# Altium PCB ESC_type_6_000.PcbDoc (part 2 of 3)
Units mil, origin at the board's own origin, x right, y up, seen from the top; angles counter-clockwise.
Board outline 2362.34 x 2362.34 mil, 4 copper layers (Top Layer, Signal Layer 1, Signal Layer 2, Bottom Layer), stack 65.634 mil thick; 137 components, 109 nets, 523 pads, 654 vias.
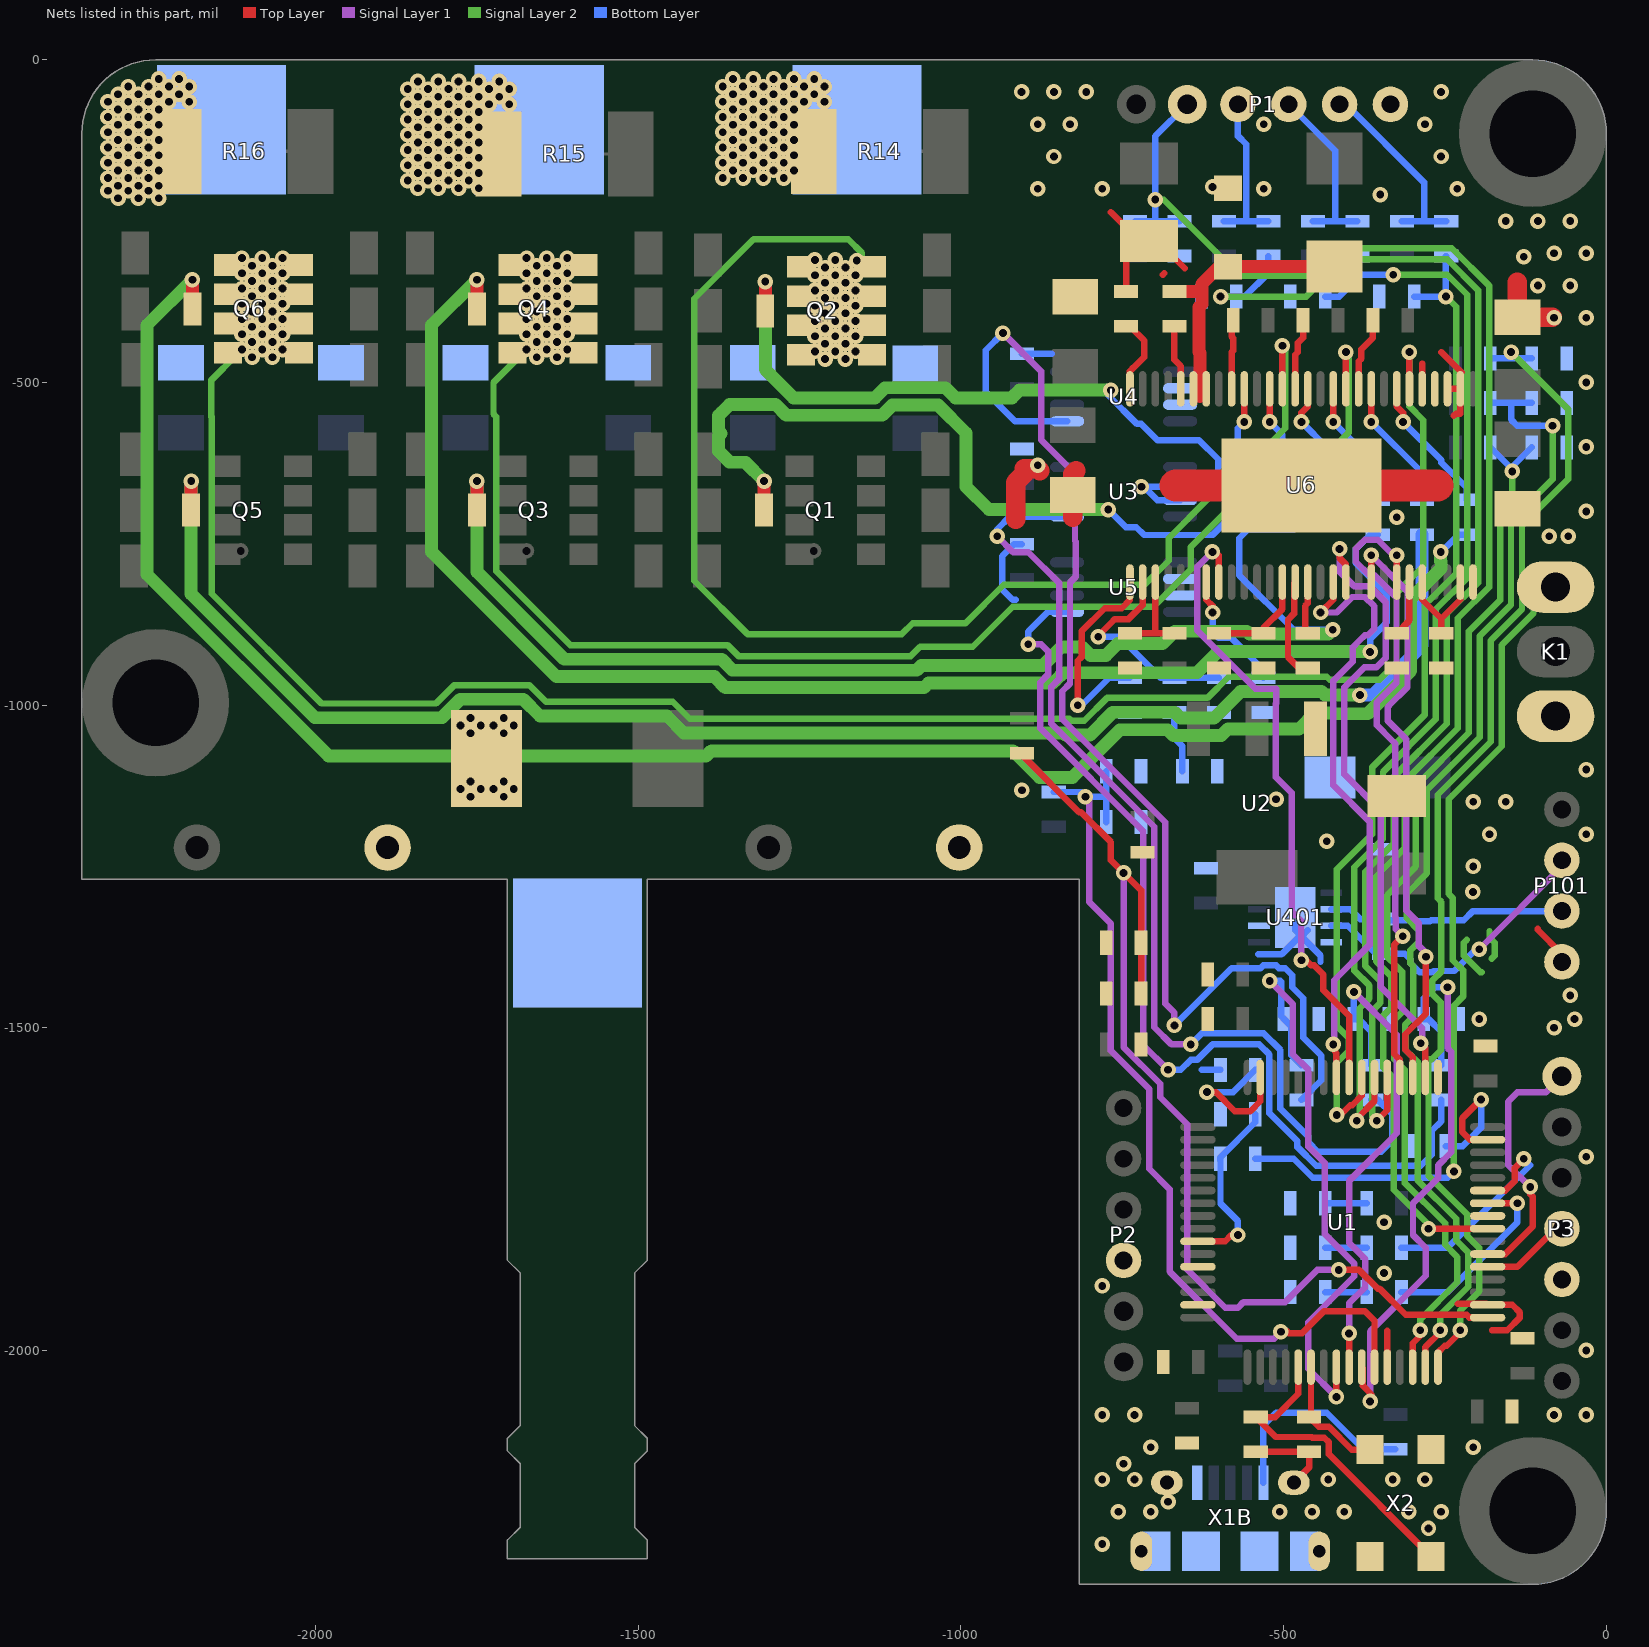
[diagram p4: the nets of this part, all layers, seen from the top]

## Via types
v1: diameter 24, hole 12, Top Layer to Bottom Layer, tented both sides, 654 vias

## Nets (pads, with @x,y where several pads share a name; then routed paths per layer and width w, separated by ;. In a path a pad name is that pad's centre, name@x,y a point inside that pad or via, vN(x,y) a via of type N, cw(c..) or ccw(c..) an arc to the next point about the centre after c; other vN are vias at no path point) (continued)
GND: C1.1 C2.2 C3.1 C4.1 C5.1 C6.1 C7.1 C8.1 C9.1 C10.1 C11.1 C12.1 C13.1 C14.1 C15.1 C16.1 C17.1 C18.2 C19.1 C20.1 C21.1 C23.1 C24.1 C25.2 C26.1 C31.1 C32.1 C33.2 C34.1 C35.1 C36.1 C37.1 C38.2 C39.2 C41.1 C43.1 C44.1 C49.2 C52.1 C100.2 C101.2 C102.2 C103.2 C104.1 C105.1 C106.2 C107.2 C401.1 C402.1 D1.2 D2.2 D3.2 D4.2 D5.2 D101.A K1.3 N1.2 N2.2 N3.2 P1.6 P2.3 P3.3 P5.1 P101.1 Q2.S Q4.S Q6.S R2.1 R4.1 R18.1 R20.1 R21.1 R24.2 R27.2 R33.2 U1.12 U1.18 U1.60 U1.63 U2.1 U3.2 U3.3 U4.2 U4.3 U5.2 U5.3 U6.28 U6.30 U6.31 U6.32 U6.33 U6.57 U401.2 U401.8 U401.9 X1B.5 X2.2 X2.4 | length 2079.8
  Top Layer w10: -767.72,-236.22 -723.43,-280.51 C33.2@-708.66,-280.51 -695.87,-280.51 -653.39,-322.99 ; C37.1@-744.09,-358.83 C33.2@-744.09,-311.02 ; -687.57,-333.24 -685.04,-330.71 ; C38.2@-543.31,-2156.92 C15.1@-460.63,-2156.92 -460.63,-2181.1 X1B.5@-484.25,-2204.72 ; U1.12@-339.57,-2025.59 -339.57,-1969.49 ; U6.33@-285.43,-509.84 -285.43,-470.47 ; -255.91,-452.76 U6.30@-224.41,-484.25 ; U6.31@-246.06,-509.84 U6.30@-230.56,-509.84 ; -236.22,-551.18 -233.44,-548.4 -226.38,-548.4 U6.30@-226.38,-509.84 ; -229.98,-1927.5 -185.69,-1927.5 U1.18@-184.06,-1929.13 -145.67,-1929.13 -133.86,-1940.94 -133.86,-1948.82 -153.54,-1968.5 -177.17,-1968.5 ; -106.3,-1346.46 -106.3,-1347.95 -68.9,-1385.34 P101.1@-68.9,-1397.64
  Top Layer w30: -915.36,-711.78 -915.36,-674.22 -915.35,-654.9 -902.19,-641.74 -902.19,-633.77 -881.2,-633.77 v1@-878.18,-636.8 ; -826.77,-708.66 C44.1@-826.77,-674.21 -826.77,-641.64 -821.77,-636.64 ; -137.8,-344.49 C49.2@-137.8,-398.62 v1@-83.66,-398.63
  Top Layer w50: -667.32,-659.45 U6.57@-472.44,-659.45 -261.81,-659.45
  Signal Layer 2 w10: -216.54,-1363.69 -220.85,-1368.01 -220.85,-1387.89 -195.36,-1413.39 -192.91,-1413.39 ; -181.1,-1350.39 -181.1,-1359.76 -172.85,-1368.01 -172.85,-1387.89 -177.81,-1392.85
  Bottom Layer w10: -915.35,-836.61 -920.14,-836.61 -936.21,-820.55 -936.21,-768.89 -917.88,-750.56 C36.1@-905.51,-750.56 ; C34.1@-905.51,-455.28 -859.66,-455.28 ; v1(-720.47,-661.42) v1@-716.54,-661.42 ; U3.3@-660.43,-682.09 -695.87,-682.09 v1@-716.54,-661.42 ; U3.2@-660.43,-656.5 -665.35,-661.42 v1@-716.54,-661.42 ; -626.92,-1564.96 C17.1@-597.87,-1564.96 ; -539.71,-1386.16 -503.52,-1386.16 U401.9@-474.03,-1356.68 ; U401.9@-482.28,-1328.74 -482.28,-1348.43 U401.9@-474.03,-1356.68 ; U401.9@-462.6,-1348.43 U401.9@-472.44,-1358.27 ; -442.91,-1397.64 -442.91,-1387.8 U401.9@-472.44,-1358.27 ; U401.9@-474.03,-1356.68 U401.9@-472.44,-1358.27
  other v1: -781.06,-2299.72 -275.59,-2275.59 -756.06,-2249.72 -706.06,-2249.72 -506.06,-2249.72 -456.06,-2249.72 -406.06,-2249.72 -306.06,-2249.72 -256.06,-2249.72 -679.13,-2234.25 -781.06,-2199.72 -731.06,-2199.72 -431.06,-2199.72 -331.06,-2199.72 -281.06,-2199.72 -748.03,-2175.2 -706.06,-2149.72 -206.06,-2149.72 -781.06,-2099.72 -731.06,-2099.72 -81.06,-2099.72 -31.06,-2099.72 -31.06,-1999.72 -781.06,-1899.72 -344.49,-1879.92 -344.49,-1801.18 -31.06,-1699.72 -81.06,-1499.72 -196.85,-1486.22 -49.21,-1486.22 -56.06,-1449.72 -206.69,-1289.37 -206.06,-1249.72 -433.07,-1210.63 -181.06,-1199.72 -31.06,-1199.72 -206.06,-1149.72 -156.06,-1149.72 -511.81,-1145.67 -1759.84,-1141.73 -1708.66,-1141.73 -905.51,-1131.89 -1775.59,-1129.92 -1744.09,-1129.92 -1724.41,-1129.92 -1692.91,-1129.92 -1759.84,-1118.11 -1708.66,-1118.11 -31.06,-1099.72 -1759.84,-1043.31 -1708.66,-1043.31 -1775.59,-1031.5 -1744.09,-1031.5 -1724.41,-1031.5 -1692.91,-1031.5 -1759.84,-1019.68 -1708.66,-1019.68 -88.58,-738.19 -59.06,-738.19 -324.8,-708.66 -31.06,-699.72 -881.2,-628.08 -31.06,-599.72 -31.06,-499.72 -1210.63,-463.58 -1179.13,-463.58 -2098.43,-460.63 -2066.93,-460.63 -1657.48,-460.63 -1625.98,-460.63 -1226.38,-451.77 -1194.88,-451.77 -1163.39,-451.77 -2082.68,-448.82 -2051.18,-448.82 -1641.73,-448.82 -1610.24,-448.82 -1210.63,-439.96 -1179.13,-439.96 -2098.43,-437.01 -2066.93,-437.01 -1657.48,-437.01 -1625.98,-437.01 -1226.38,-428.15 -1194.88,-428.15 -1163.39,-428.15 -2114.17,-425.2 -2082.68,-425.2 -2051.18,-425.2 -1673.23,-425.2 -1641.73,-425.2 -1610.24,-425.2 -1210.63,-416.34 -1179.13,-416.34 -2098.43,-413.39 -2066.93,-413.39 -1657.48,-413.39 -1625.98,-413.39 -1226.38,-404.53 -1194.88,-404.53 -1163.39,-404.53 -2114.17,-401.57 -2082.68,-401.57 -2051.18,-401.57 -1673.23,-401.57 -1641.73,-401.57 -1610.24,-401.57 -81.06,-399.72 -31.06,-399.72 -1210.63,-392.72 -1179.13,-392.72 -2098.43,-389.76 -2066.93,-389.76 -1657.48,-389.76 -1625.98,-389.76 -1226.38,-380.91 -1194.88,-380.91 -1163.39,-380.91 -2114.17,-377.95 -2082.68,-377.95 -2051.18,-377.95 -1673.23,-377.95 -1641.73,-377.95 -1610.24,-377.95 -1210.63,-369.09 -1179.13,-369.09 -2098.43,-366.14 -2066.93,-366.14 -1657.48,-366.14 -1625.98,-366.14 -1226.38,-357.28 -1194.88,-357.28 -1163.39,-357.28 -2114.17,-354.33 -2082.68,-354.33 -2051.18,-354.33 -1673.23,-354.33 -1641.73,-354.33 -1610.24,-354.33 -106.06,-349.72 -56.06,-349.72 -1210.63,-345.47 -1179.13,-345.47 -2098.43,-342.52 -2066.93,-342.52 -1657.48,-342.52 -1625.98,-342.52 -1226.38,-333.66 -1194.88,-333.66 -1163.39,-333.66 -2114.17,-330.71 -2082.68,-330.71 -2051.18,-330.71 -1673.23,-330.71 -1641.73,-330.71 -1610.24,-330.71 -1210.63,-321.85 -1179.13,-321.85 -2098.43,-318.9 -2066.93,-318.9 -1657.48,-318.9 -1625.98,-318.9 -1226.38,-310.04 -1194.88,-310.04 -2114.17,-307.09 -2082.68,-307.09 -2051.18,-307.09 -1673.23,-307.09 -1641.73,-307.09 -1610.24,-307.09 -127.95,-305.12 -81.06,-299.72 -31.06,-299.72 -156.06,-249.72 -106.06,-249.72 -56.06,-249.72 -350.39,-208.66 -881.06,-199.72 -781.06,-199.72 -531.06,-199.72 -231.06,-199.72 -610.24,-196.85 -856.06,-149.72 -256.06,-149.72 -881.06,-99.72 -831.06,-99.72 -531.06,-99.72 -281.06,-99.72 -906.06,-49.72 -856.06,-49.72 -806.06,-49.72 -256.06,-49.72
NetC1_2: C1.2 R25.1 U1.8 | length 953.4
  Top Layer w10: v1(-418.31,-2071.85) U1.8@-418.31,-2025.59
  Signal Layer 1 w10: v1(-521.65,-1427.16) -485.87,-1462.95 -485.87,-1540.62 -461.68,-1564.8 -461.68,-1683.99 -436.63,-1709.04 -436.63,-1819.08 -390.64,-1865.07 -390.64,-1884.95 -415.48,-1909.79 -461.99,-1956.3 -461.99,-2028.17 v1(-418.31,-2071.85)
  Bottom Layer w10: v1(-521.65,-1427.16) -505.23,-1427.16 -503.6,-1428.79 -503.6,-1482.06 C1.2@-499.44,-1486.22 -488.02,-1497.64 -488.02,-1542.06 R25.1@-472.44,-1557.65
NetC2_1: C2.1 R3.1 R4.2 U1.11 | length 1412.4
  Top Layer w10: v1(-504.2,-1970.74) -498.77,-1970.74 -496.54,-1968.5 -492.22,-1972.82 -471.33,-1972.82 -437.48,-1938.98 -374.02,-1938.98 -359.25,-1953.74 U1.11@-359.25,-2025.59
  Signal Layer 1 w10: v1(-807.09,-1141.73) -801.43,-1147.39 -801.43,-1304.87 -767.72,-1338.58 -767.72,-1535.43 -708.47,-1594.68 -708.47,-1718.27 -676.83,-1749.92 -676.83,-1877.3 -572.69,-1981.45 -514.91,-1981.45 v1(-504.2,-1970.74)
  Bottom Layer w10: R3.1@-856.3,-1134.42 -814.4,-1134.42 v1(-807.09,-1141.73) -775.02,-1141.73 ; R4.2@-775.02,-1181.11 -775.02,-1141.73 ; C2.1@-775.02,-1102.37 -775.02,-1141.73
NetC3_2: C3.2 R5.2 U1.58 | length 288.8
  Top Layer w10: U1.58@-632.87,-1830.71 -590.55,-1830.71 -580.71,-1820.87 v1(-570.87,-1820.87)
  Bottom Layer w10: R5.2@-598.43,-1704.72 -598.43,-1700.79 -543.87,-1646.23 C3.2@-543.87,-1633.86 ; R5.2@-597.87,-1702.76 -597.87,-1772.21 -570.87,-1799.21 v1(-570.87,-1820.87)
NetC4_2: C4.2 P1.2 R7.1 U1.24 | length 2557.5
  Top Layer w10: v1(-275.59,-1811.02) U1.24@-184.06,-1811.02
  Signal Layer 2 w10: v1(-698.82,-216.53) -686.02,-216.53 -567.91,-334.65 -457.11,-334.65 -414.31,-291.84 -239.65,-291.84 -181.74,-349.76 -181.74,-816.99 -230.14,-865.39 -230.14,-1035.55 -312.09,-1117.5 -312.09,-1220.83 -356.44,-1265.18 -356.44,-1397.04 -333.17,-1420.3 -333.17,-1468.35 -345.46,-1480.63 -345.46,-1561.46 -329.28,-1577.64 -329.28,-1750.72 -268.98,-1811.02 v1(-275.59,-1811.02)
  Bottom Layer w10: R7.1@-730.32,-250 -695.87,-250 ; C4.2@-661.42,-250 -695.87,-250 ; P1.2@-649.6,-68.89 -698.82,-118.11 v1(-698.82,-216.53) -698.82,-247.05 -695.87,-250
NetC5_2: C5.2 R10.1 U1.39 | length 1566.6
  Top Layer w10: v1(-417.8,-1634.87) -417.8,-1640.76 -396.74,-1619.7 -393.8,-1619.7 -378.94,-1604.83 U1.39@-378.94,-1576.77
  Signal Layer 2 w10: v1(-417.8,-1634.87) -417.8,-1554.1 -399.23,-1535.53 -399.23,-1515.65 -417.8,-1497.07 -417.8,-1254.42 -363.09,-1199.71 -363.09,-1096.38 -281.14,-1014.42 -281.14,-844.26 -232.74,-795.86 -232.74,-382.55 v1(-248.59,-366.7)
  Bottom Layer w10: C5.2@-297.8,-366.7 v1(-248.59,-366.7) -248.59,-304.56 R10.1@-248.03,-304
NetC6_2: C6.2 R9.1 U1.38 | length 1732.6
  Top Layer w10: v1(-386.8,-1643.7) -386.8,-1640.76 -359.25,-1613.21 U1.38@-359.25,-1576.77
  Signal Layer 2 w10: v1(-386.8,-1643.7) -382.23,-1639.13 -382.23,-1469.32 -367.17,-1454.26 -367.17,-1434.38 -390.44,-1411.12 -390.44,-1251.09 -346.09,-1206.75 -346.09,-1103.42 -264.14,-1021.47 -264.14,-851.3 -215.74,-802.9 -215.74,-363.84 -246.74,-332.84 v1(-330.25,-332.84)
  Bottom Layer w10: C6.2@-435.6,-366.7 -413.94,-366.7 -385.83,-338.58 -385.83,-336.61 ; R9.1@-385.83,-304 -385.83,-332.84 ; v1(-330.25,-332.84) -382.06,-332.84 ; -385.83,-336.61 -382.06,-332.84 ; -385.83,-336.61 -385.83,-332.84 ; -385.83,-332.84 -382.06,-332.84
NetC7_2: C7.2 R8.1 U1.37 | length 2008.9
  Top Layer w10: v1(-355.8,-1643.7) -339.57,-1627.46 U1.37@-339.57,-1576.77
  Signal Layer 2 w10: v1(-597.87,-366.7) -465.13,-366.7 -407.27,-308.84 -246.7,-308.84 -198.74,-356.8 -198.74,-809.94 -247.14,-858.34 -247.14,-1028.51 -329.09,-1110.46 -329.09,-1213.79 -373.44,-1258.13 -373.44,-1404.08 -350.17,-1427.34 -350.17,-1461.31 -362.46,-1473.59 -362.46,-1637.04 v1(-355.8,-1643.7)
  Bottom Layer w10: v1(-597.87,-366.7) C7.2@-573.39,-366.7 -560.17,-366.7 -523.62,-330.15 R8.1@-523.62,-304
NetC8_2: C8.2 R31.1 U1.10 | length 935.6
  Top Layer w10: U1.10@-378.94,-2025.59 -377.16,-2027.37 -377.16,-2054.66 -364.17,-2067.65 -366.14,-2069.61 v1(-366.14,-2078.74)
  Signal Layer 1 w10: v1(-366.14,-2078.74) -366.14,-1970.47 -279.91,-1884.24 -279.91,-1840.65 -299.59,-1820.96 -299.59,-1771.75 -260.22,-1732.38 -260.22,-1712.5 -240.16,-1692.44 -240.16,-1536.92 -246.06,-1531.02 v1(-246.06,-1437)
  Bottom Layer w10: R31.1@-255.91,-1557.65 -255.91,-1505.91 -275.59,-1486.22 C8.2@-282.91,-1486.22 -282.91,-1454.16 -265.75,-1437 v1(-246.06,-1437)
NetC9_2: C9.2 R30.1 U1.9 | length 788.8
  Top Layer w10: U1.9@-398.62,-2025.59 v1(-398.62,-1973.43)
  Signal Layer 1 w10: v1(-398.62,-1973.43) -398.62,-1926.83 -373.64,-1901.84 -373.64,-1858.02 -398.62,-1833.04 -398.62,-1737.2 -324.8,-1663.39 -324.8,-1510.69 v1(-391.17,-1444.32)
  Bottom Layer w10: v1(-391.17,-1444.32) C9.2@-391.17,-1486.22 -383.86,-1486.22 -364.17,-1505.91 R30.1@-364.17,-1557.65
NetC15_2: C15.2 U1.6 X2.1 | length 187.3
  Top Layer w10: C15.2@-460.63,-2102.92 -445.47,-2118.08 -429.92,-2118.08 -394.45,-2153.54 X2.1@-366.14,-2153.54 ; C15.2@-457.68,-2097.44 U1.6@-457.68,-2025.59
NetC16_2: C16.2 U1.31 | length 216.9
  Top Layer w10: v1(-194.09,-1610.96) -223.61,-1640.48 -223.61,-1660.96 -211.35,-1673.23 U1.31@-184.06,-1673.23
  Bottom Layer w10: C16.2@-248.59,-1683.07 -222.44,-1683.07 -194.09,-1654.72 v1(-194.09,-1610.96)
NetC17_2: C17.2 U1.47 | length 227.2
  Top Layer w10: v1(-618.83,-1599.41) -605.32,-1599.41 -575.79,-1628.94 -551.51,-1628.94 -536.42,-1613.85 U1.47@-536.42,-1576.77
  Bottom Layer w10: v1(-618.83,-1599.41) -578.31,-1599.41 C17.2@-543.87,-1564.96
NetC18_1: C18.1 C52.2 U6.13 | length 160.4
  Top Layer w10: C52.2@-600.39,-888.35 C18.1@-531.5,-888.35 -531.5,-880.4 -501.97,-850.87 U6.13@-501.97,-809.06
NetC19_2: C19.2 R19.2 U6.2 | length 348.8
  Top Layer w10: v1(-787.4,-893.7) -787.4,-897.45 -790.1,-894.75 -788.22,-892.88 -768.89,-873.54 -761.86,-866.51 -740.34,-866.51 -718.5,-844.68 U6.2@-718.5,-809.06
  Bottom Layer w10: v1(-787.4,-893.7) -754.41,-893.7 -690.86,-957.25 R19.2@-669.29,-957.25 C19.2@-600.39,-957.25
NetC20_2: C20.2 U6.23 | length 87.5
  Top Layer w10: C20.2@-324.8,-888.35 -305.12,-868.67 U6.23@-305.12,-809.06
NetC21_2: C21.2 R19.1 | length 96.2
  Bottom Layer w10: R19.1@-669.29,-1011.25 -669.29,-1051.18 -656.92,-1063.55 C21.2@-656.92,-1102.36
NetC22_1: C22.1 U6.14 | length 158.5
  Top Layer w10: U6.14@-482.28,-809.06 -483.91,-810.69 -483.91,-857.93 -493.3,-867.31 -493.3,-925.15 -476.09,-942.35 C22.1@-462.6,-942.35
NetC22_2: C22.2 U6.15 | length 82.9
  Top Layer w10: C22.2@-462.6,-888.35 -466.91,-884.04 -466.91,-846.36 -462.6,-842.04 U6.15@-462.6,-809.06
NetC23_2: C23.2 U6.24 U6.27 | length 160.8
  Top Layer w10: U6.24@-285.43,-809.06 -285.43,-836.61 -255.91,-866.14 ; C23.2@-255.91,-888.35 -255.91,-866.14 ; U6.27@-226.38,-809.06 -226.38,-836.61 -255.91,-866.14
NetC27_1: C27.1 U6.52 | length 100.5
  Top Layer w10: C27.1@-669.29,-413.39 -669.29,-464.57 -659.45,-474.41 U6.52@-659.45,-509.84
NetC27_2: C27.2 D4.1 L1.1 U6.50 U6.51 | length 433.4
  Top Layer w20: C27.2@-669.29,-358.83 -630.48,-358.83 -629.92,-358.27 ; -629.92,-521.65 -629.92,-454.4 -631.36,-452.96 -631.36,-383.21 -626.87,-378.71 -626.87,-347.34 -599.41,-319.88 L1.1@-421.26,-319.88
NetC28_1: C28.1 U6.48 | length 109.3
  Top Layer w10: U6.48@-580.71,-509.84 -580.71,-453.23 -578.36,-450.89 -578.36,-431 -580.71,-428.66 -580.71,-406.07 C28.1@-578.18,-403.54
NetC29_1: C29.1 U6.43 | length 111.4
  Top Layer w10: U6.43@-482.28,-509.84 -482.28,-457.17 -477.97,-452.85 -477.97,-438.6 -469.91,-430.54 C29.1@-469.91,-403.54
NetC30_1: C30.1 U6.38 | length 115.5
  Top Layer w10: U6.38@-383.86,-509.84 -383.86,-467.01 -379.54,-462.7 -379.54,-448.44 -361.65,-430.54 C30.1@-361.65,-403.54
NetC37_2: C37.2 U6.56 | length 128.4
  Top Layer w10: C37.2@-744.09,-413.39 -737.71,-413.39 -716.16,-434.94 -716.16,-460.52 -732.39,-476.76 -732.66,-476.76 -738.19,-482.28 U6.56@-738.19,-509.84 ; C37.2@-744.09,-412.83 C37.2@-736.78,-412.83
NetC38_1: C38.1 U1.5 X2.3 | length 494.3
  Top Layer w10: U1.5@-477.36,-2025.59 -477.24,-2025.72 -477.24,-2066.93 -513.23,-2102.92 C38.1@-543.31,-2102.92 -512.37,-2133.86 -456.69,-2133.86 -455.47,-2135.08 -436.96,-2135.08 -429.93,-2142.11 -429.93,-2160.62 X2.3@-271.65,-2318.9
NetC41_2: C41.2 R1.1 R2.2 U1.17 | length 1651
  Top Layer w10: R1.1@-905.51,-1074.24 -905.51,-1077.25 -817.03,-1165.73 -814.02,-1165.73 -767.72,-1212.04 -767.72,-1240.16 -721.03,-1286.84 R2.2@-721.03,-1368.11 C41.2@-721.03,-1446.85 ; v1(-414.64,-1875.01) -383.34,-1875.01 -354.43,-1903.92 -351.61,-1903.92 -311.02,-1944.5 -216.44,-1944.5 -212.12,-1948.82 U1.17@-184.06,-1948.82
  Signal Layer 1 w10: v1(-748.03,-1259.84) -748.03,-1530 -691.47,-1586.56 -691.47,-1607.26 -649.61,-1649.13 -649.61,-1874.49 -590.65,-1933.45 -570.77,-1933.45 -562.14,-1924.82 -497.65,-1924.82 -447.84,-1875.01 v1(-414.64,-1875.01)
NetD1_1: D1.1 R37.1 | length 64.1
  Bottom Layer w10: D1.1@-435.6,-1909.46 R37.1@-371.49,-1909.46
NetD2_1: D2.1 R38.1 | length 64.1
  Bottom Layer w10: D2.1@-435.6,-1840.56 R38.1@-371.49,-1840.56
NetD3_1: D3.1 R22.1 | length 64.1
  Bottom Layer w10: D3.1@-435.6,-1771.66 R22.1@-371.49,-1771.66
NetK1_1: K1.1 R5.1 | length 1333
  Signal Layer 2 w10: v1(-236.22,-1722.44) -236.22,-1465.46 -222.06,-1451.3 -222.06,-1410.72 -237.85,-1394.93 -237.85,-1298.65 -244.09,-1292.41 -244.09,-1145.67 -162.14,-1063.72 -162.14,-906.79 -112.91,-857.56 -112.91,-816.93 K1.1@-78.74,-816.93
  Bottom Layer w10: R5.1@-543.87,-1702.76 -484.61,-1702.76 -455.08,-1732.28 -246.06,-1732.28 v1(-236.22,-1722.44)
NetN1_1: N1.1 U6.44 | length 2063.6
  Top Layer w10: U6.44@-501.97,-509.84 v1(-501.97,-442.91)
  Signal Layer 2 w10: N1.1@-1153.54,-303.15 -1153.54,-299.21 -1174.71,-278.05 -1321.35,-278.05 -1413.39,-370.08 -1413.39,-807.09 -1330.71,-889.76 -1091.8,-889.76 -1074.8,-872.76 -993.03,-872.76 -933.78,-813.51 -715.74,-813.51 -678.22,-775.99 -678.22,-741.06 -615.93,-678.77 -615.93,-659.66 -564.72,-608.45 -535.14,-608.45 -497.65,-570.96 -497.65,-447.23 v1(-501.97,-442.91) v1@-507.4,-442.91
NetN2_1: N2.1 U6.39 | length 2088.4
  Top Layer w10: U6.39@-403.54,-509.84 v1(-403.54,-452.76)
  Signal Layer 2 w10: -1681.71,-457.3 -1724.41,-500 -1724.41,-548.74 -1720.09,-553.05 -1720.09,-792.14 -1605.47,-906.76 -1361.79,-906.76 -1344.79,-923.76 -1077.72,-923.76 -1063.4,-909.45 -981.63,-909.45 -919.69,-847.51 -701.65,-847.51 -644.22,-790.07 -644.22,-755.14 -581.93,-692.85 -581.93,-673.74 -550.64,-642.45 -464.15,-642.45 -399.23,-577.52 -399.23,-457.07 v1(-403.54,-452.76)
NetN3_1: N3.1 U6.34 | length 2933
  Top Layer w10: U6.34@-305.12,-509.84 v1(-305.12,-452.76)
  Signal Layer 2 w10: -2122.87,-457.52 -2161.42,-496.06 -2161.42,-552.67 -2161.04,-553.05 -2161.04,-827.15 -1990.87,-997.31 -1813.53,-997.31 -1784.9,-968.68 -1669.15,-968.68 -1643.07,-994.76 -1446.55,-994.76 -1420.43,-1020.88 -831.95,-1020.88 -828.84,-1024 -808.95,-1024 -773.66,-988.7 -618.06,-988.7 -585.12,-955.76 -433.16,-955.76 -428.29,-960.63 -392.21,-960.63 -391.83,-960.25 -371.95,-960.25 -371.57,-960.63 -351.47,-960.63 -325.14,-934.3 -325.14,-826.04 -283.8,-784.7 -283.8,-558.24 -305.12,-536.92 v1(-305.12,-452.76)
NetP1_3: P1.3 R8.2 R13.1 | length 255.3
  Bottom Layer w10: R13.1@-592.52,-250 -558.07,-250 ; P1.3@-570.86,-68.89 -570.86,-118.11 -558.07,-130.9 -558.07,-250 ; R8.2@-523.62,-250 -558.07,-250
NetP1_4: P1.4 R9.2 R12.1 | length 279.8
  Bottom Layer w10: P1.4@-492.12,-68.89 -420.28,-140.74 -420.28,-250 ; R12.1@-454.72,-250 -420.28,-250 ; R9.2@-385.83,-250 -420.28,-250
NetP1_5: P1.5 R10.2 R11.1 | length 310
  Bottom Layer w10: P1.5@-413.38,-68.89 -403.55,-68.89 -282.48,-189.96 -282.48,-250 ; R11.1@-316.93,-250 -282.48,-250 ; R10.2@-248.03,-250 -282.48,-250
NetP3_4: P3.4 U1.21 | length 139.6
  Top Layer w10: U1.21@-184.06,-1870.08 -137.8,-1870.08 -78.74,-1811.02 P3.4@-68.9,-1811.02
NetP3_7: P3.7 U1.22 | length 405.4
  Top Layer w10: U1.22@-184.06,-1850.39 -156.76,-1850.39 -113.8,-1807.42 -113.8,-1761.71 -118.11,-1757.4 -118.11,-1742.13 -117.9,-1742.34 v1(-117.9,-1746.33)
  Signal Layer 1 w10: v1(-117.9,-1746.33) -118.32,-1746.33 -151.95,-1712.69 -151.95,-1633.96 -151.95,-1614.07 -137.89,-1600.02 -94.11,-1600.02 P3.7@-68.9,-1574.8
NetP6_1: P6.1 R16.2
  other v1: -2306.1,-214.57 -2274.61,-214.57 -2243.11,-214.57 -2321.85,-202.76 -2290.35,-202.76 -2258.86,-202.76 -2306.1,-194.88 -2274.61,-194.88 -2243.11,-194.88 -2321.85,-183.07 -2290.35,-183.07 -2258.86,-183.07 -2306.1,-171.26 -2274.61,-171.26 -2243.11,-171.26 -2321.85,-159.45 -2290.35,-159.45 -2258.86,-159.45 -2306.1,-147.64 -2274.61,-147.64 -2243.11,-147.64 -2321.85,-135.83 -2290.35,-135.83 -2258.86,-135.83 -2306.1,-124.02 -2274.61,-124.02 -2243.11,-124.02 -2321.85,-112.2 -2290.35,-112.2 -2258.86,-112.2 -2306.1,-100.39 -2274.61,-100.39 -2243.11,-100.39 -2321.85,-88.58 -2290.35,-88.58 -2258.86,-88.58 -2306.1,-76.77 -2274.61,-76.77 -2243.11,-76.77 -2321.85,-64.96 -2290.35,-64.96 -2258.86,-64.96 -2227.36,-64.96 -2195.87,-64.96 -2306.1,-53.15 -2274.61,-53.15 -2243.11,-53.15 -2211.61,-53.15 -2290.35,-41.34 -2258.86,-41.34 -2227.36,-41.34 -2195.87,-41.34 -2243.11,-29.53 -2211.61,-29.53
NetP7_1: P7.1 R15.2
  other v1: -1841.54,-198.82 -1810.04,-198.82 -1778.54,-198.82 -1747.05,-198.82 -1857.28,-187.01 -1825.79,-187.01 -1794.29,-187.01 -1762.8,-187.01 -1841.54,-175.2 -1810.04,-175.2 -1778.54,-175.2 -1747.05,-175.2 -1857.28,-163.39 -1825.79,-163.39 -1794.29,-163.39 -1762.8,-163.39 -1841.54,-151.57 -1810.04,-151.57 -1778.54,-151.57 -1747.05,-151.57 -1857.28,-139.76 -1825.79,-139.76 -1794.29,-139.76 -1762.8,-139.76 -1841.54,-127.95 -1810.04,-127.95 -1778.54,-127.95 -1747.05,-127.95 -1857.28,-116.14 -1825.79,-116.14 -1794.29,-116.14 -1762.8,-116.14 -1841.54,-104.33 -1810.04,-104.33 -1778.54,-104.33 -1747.05,-104.33 -1857.28,-92.52 -1825.79,-92.52 -1794.29,-92.52 -1762.8,-92.52 -1841.54,-80.71 -1810.04,-80.71 -1778.54,-80.71 -1747.05,-80.71 -1857.28,-68.9 -1825.79,-68.9 -1794.29,-68.9 -1762.8,-68.9 -1731.3,-68.9 -1699.8,-68.9 -1841.54,-57.09 -1810.04,-57.09 -1778.54,-57.09 -1747.05,-57.09 -1715.55,-57.09 -1857.28,-45.28 -1825.79,-45.28 -1794.29,-45.28 -1762.8,-45.28 -1731.3,-45.28 -1699.8,-45.28 -1841.54,-33.46 -1810.04,-33.46 -1778.54,-33.46 -1747.05,-33.46 -1715.55,-33.46
NetP9_1: P9.1 R14.2
  other v1: -1369.09,-183.07 -1337.6,-183.07 -1306.1,-183.07 -1274.61,-183.07 -1353.35,-171.26 -1321.85,-171.26 -1290.35,-171.26 -1258.86,-171.26 -1369.09,-159.45 -1337.6,-159.45 -1306.1,-159.45 -1274.61,-159.45 -1353.35,-147.64 -1321.85,-147.64 -1290.35,-147.64 -1258.86,-147.64 -1369.09,-135.83 -1337.6,-135.83 -1306.1,-135.83 -1274.61,-135.83 -1353.35,-124.02 -1321.85,-124.02 -1290.35,-124.02 -1258.86,-124.02 -1369.09,-112.2 -1337.6,-112.2 -1306.1,-112.2 -1274.61,-112.2 -1353.35,-100.39 -1321.85,-100.39 -1290.35,-100.39 -1258.86,-100.39 -1369.09,-88.58 -1337.6,-88.58 -1306.1,-88.58 -1274.61,-88.58 -1353.35,-76.77 -1321.85,-76.77 -1290.35,-76.77 -1258.86,-76.77 -1369.09,-64.96 -1337.6,-64.96 -1306.1,-64.96 -1274.61,-64.96 -1243.11,-64.96 -1211.61,-64.96 -1353.35,-53.15 -1321.85,-53.15 -1290.35,-53.15 -1258.86,-53.15 -1227.36,-53.15 -1369.09,-41.34 -1337.6,-41.34 -1306.1,-41.34 -1274.61,-41.34 -1243.11,-41.34 -1211.61,-41.34 -1353.35,-29.53 -1321.85,-29.53 -1290.35,-29.53 -1258.86,-29.53 -1227.36,-29.53
NetP101_2: P101.2 R36.1 U401.6 | length 372.1
  Bottom Layer w10: U401.6@-426.38,-1315.94 -396.65,-1315.94 -381.33,-1331.27 R36.1@-344.49,-1331.27 -342.7,-1333.06 -295.37,-1333.06 -293.41,-1335.02 -273.52,-1335.02 -271.56,-1333.06 -220.85,-1333.06 -206.69,-1318.9 P101.2@-68.9,-1318.9
NetP101_3: P101.3 R36.2 U401.7 | length 468.5
  Signal Layer 1 w10: v1(-196.85,-1377.95) -68.9,-1250.01 P101.3@-68.9,-1240.16
  Bottom Layer w10: U401.7@-426.38,-1341.54 -400.59,-1341.54 -356.86,-1385.27 R36.2@-344.49,-1385.27 -312.06,-1385.27 -303.53,-1393.8 -303.53,-1399.7 -289.47,-1413.76 -269.59,-1413.76 -267.62,-1411.79 -235.75,-1411.79 -201.9,-1377.95 v1(-196.85,-1377.95)
NetQ1_G: Q1.G R28.2 | length 1187
  Top Layer w20: Q1.G@-1305.12,-697.83 v1(-1305.12,-652.56)
  Signal Layer 2 w20: v1(-1305.12,-652.56) -1334.19,-623.49 -1358.47,-623.49 -1375.46,-606.5 -1375.46,-582.48 -1371.72,-578.74 -1375.46,-575 -1375.46,-550.98 -1370.9,-546.42 -1358.47,-533.99 -1287.2,-533.99 -1270.57,-550.62 -1122.15,-550.62 -1106.5,-534.98 -1035.23,-534.98 -992.13,-578.08 -992.13,-661.42 -956.69,-696.85 v1(-771.65,-696.85)
  Bottom Layer w10: v1(-771.65,-696.85) -744.47,-724.03 -728.25,-724.03 -716.06,-736.22 -610.24,-736.22 -570.87,-696.85 R28.2@-570.87,-676.61
NetQ2_G: Q2.G R29.2 | length 1108.1
  Top Layer w20: Q2.G@-1303.15,-388.78 v1(-1303.15,-343.5)
  Signal Layer 2 w20: v1(-1303.15,-343.5) -1303.15,-479.86 -1259.39,-523.62 -1133.33,-523.62 -1117.68,-507.98 -1024.05,-507.98 -1008.4,-523.62 -921.26,-523.62 -909.45,-511.81 v1(-767.72,-511.81)
  Bottom Layer w10: v1(-767.72,-511.81) -767.72,-515.75 -771.65,-519.68 -727.26,-564.08 -720.71,-564.08 -695.49,-589.3 -631.19,-589.3 -601.57,-618.92 -601.57,-637.42 -594.54,-644.45 -534.13,-644.45 R29.2@-501.97,-676.61
NetQ3_G: Q3.G R34.2 | length 2015.7
  Top Layer w20: Q3.G@-1750,-697.83 v1(-1750,-652.56)
  Signal Layer 2 w20: v1(-1750,-652.56) -1750,-793.34 -1614.58,-928.76 -1370.9,-928.76 -1353.9,-945.76 -1068.61,-945.76 -1061.52,-938.67 -873.39,-938.67 -844.16,-909.45 -812.66,-909.45 -799.41,-922.7 -775.39,-922.7 -772.15,-919.46 -756.78,-904.09 -687.45,-904.09 -668.67,-885.3 -557.29,-885.3 -552.82,-889.76 -430.51,-889.76 v1(-423.92,-883.17)
  Bottom Layer w10: R34.2@-433.07,-676.61 -483.75,-727.28 -554.74,-727.28 -568.8,-741.34 -568.8,-798.83 -484.46,-883.17 v1(-423.92,-883.17)
NetQ4_G: Q4.G R35.2 | length 2294.3
  Top Layer w20: Q4.G@-1750,-385.83 v1(-1750,-340.55)
  Signal Layer 2 w20: v1(-1750,-340.55) -1820.34,-410.89 -1820.34,-762.34 -1626.91,-955.76 -1382.09,-955.76 -1365.09,-972.76 -1057.42,-972.76 -1050.33,-965.67 -857.86,-965.67 -853.57,-961.39 -853.45,-961.51 -841.64,-949.7 -634.21,-949.7 -601.28,-916.76 -366.7,-916.76 v1(-366.14,-917.32)
  Bottom Layer w10: v1(-366.14,-917.32) -366.14,-897.64 -340.17,-871.67 -340.17,-827.62 -388.17,-779.62 -388.17,-757.78 -366.06,-735.66 R35.2@-354.33,-735.66
NetQ5_G: Q5.G R42.2 | length 2483.4
  Top Layer w20: Q5.G@-2192.91,-697.83 v1(-2192.91,-652.56)
  Signal Layer 2 w20: v1(-2192.91,-652.56) -2192.91,-827.49 -2001.09,-1019.31 -1804.42,-1019.31 -1775.79,-990.68 -1678.26,-990.68 -1652.18,-1016.76 -1455.66,-1016.76 -1429.54,-1042.88 -841.07,-1042.88 -837.95,-1046 -799.84,-1046 -764.77,-1010.93 -668.84,-1010.93 -659.72,-1020.05 -607.85,-1020.05 -566.67,-978.87 -441.16,-978.87 -435.78,-984.25 v1(-381.89,-984.25)
  Bottom Layer w20: v1(-381.89,-984.25) -362.2,-984.25 -285.43,-907.48 -285.43,-774.82 -285.74,-774.51 -285.74,-750.48 -285.43,-750.18 R42.2@-285.43,-735.66
NetQ6_G: Q6.G R43.2 | length 2958.6
  Top Layer w20: Q6.G@-2190.94,-385.83 v1(-2190.94,-340.55)
  Signal Layer 2 w20: v1(-2190.94,-340.55) -2261.28,-410.89 -2261.28,-797.3 -1979.85,-1078.74 -1394.91,-1078.74 -1386.84,-1070.67 -919.15,-1070.67 -878.15,-1111.67 -827.34,-1111.67 -753.59,-1037.93 -680.03,-1037.93 -670.9,-1047.05 -596.67,-1047.05 -586.49,-1036.87 -476.18,-1036.87 -451.11,-1011.81 -422.37,-1011.81 -420.93,-1013.25 -369.88,-1013.25 -303.14,-946.51 -303.14,-835.15 -255.91,-787.91 -255.91,-778.23 -256.74,-777.4 v1(-256.74,-762.5)
  Bottom Layer w10: v1(-256.74,-762.5) -255.91,-762.5 -229.07,-735.66 R43.2@-216.54,-735.66
NetR6_1: R6.1 X1B.1 | length 324.9
  Bottom Layer w10: X1B.1@-531.5,-2204.72 -531.5,-2167.13 -531.5,-2116.14 -511.81,-2096.46 -433.07,-2096.46 -376.54,-2152.98 R6.1@-326.77,-2152.98
NetR17_1: R17.1 R18.2 U6.3 | length 148.2
  Top Layer w10: R18.2@-738.19,-888.35 R17.1@-669.29,-888.35 ; -698.82,-888.35 U6.3@-698.82,-809.06
NetR20_2: R20.2 U6.7 | length 196.4
  Top Layer w10: U6.7@-620.08,-809.06 -620.08,-836.35 -610.24,-846.19 v1(-610.24,-856.3)
  Bottom Layer w10: v1(-610.24,-856.3) -610.24,-885.83 -600.39,-895.67 -580.71,-895.67 -531.5,-944.88 R20.2@-531.5,-957.25
NetR21_2: R21.2 U6.1 | length 338.1
  Top Layer w10: v1(-818.9,-1000) -818.9,-931.01 -813.18,-925.3 -813.18,-885.54 -777.15,-849.51 -751.09,-849.51 -738.19,-836.61 U6.1@-738.19,-809.06
  Bottom Layer w10: v1(-818.9,-1000) -812.99,-1000 -770.24,-957.25 R21.2@-738.19,-957.25
NetR23_1: R23.1 R24.1 U1.14 | length 1653.4
  Top Layer w10: U1.14@-300.2,-2025.59 -300.2,-1988.67 -288.38,-1976.86 v1(-288.38,-1968.5)
  Signal Layer 2 w10: v1(-288.38,-1968.5) -288.38,-1951.76 -230.85,-1894.24 -230.85,-1855.03 -249.8,-1836.09 -249.8,-1802.87 -312.28,-1740.39 -312.28,-1564.7 -328.46,-1548.51 -328.46,-1487.67 -316.17,-1475.39 -316.17,-1413.26 -325.58,-1403.85 -339.44,-1389.99 -339.44,-1294.16 -295.09,-1249.82 -295.09,-1124.54 -213.14,-1042.59 -213.14,-885.67 -164.74,-837.27 -164.74,-707.21 -145.67,-688.14 v1(-145.67,-637.79)
  Bottom Layer w10: R23.1@-179.69,-600.39 -149.61,-630.48 -149.61,-634.42 v1@-146.49,-631.3 ; v1(-145.67,-637.79) -145.67,-632.12 v1@-146.49,-631.3 ; R24.1@-115.58,-600.39 v1@-146.49,-631.3
NetR25_2: R25.2 U4.5 | length 1899.9
  Signal Layer 1 w10: v1(-935.04,-423.23) -875.98,-482.28 -875.98,-588.58 -822.46,-642.11 -822.46,-673.81 -823.34,-674.69 -823.34,-745.45 -822.46,-746.33 -822.46,-801.19 -831.09,-809.82 -831.09,-966.44 -842.9,-978.25 -842.9,-1021.7 -683.45,-1181.14 -683.45,-1462.22 -669.45,-1476.22 -669.45,-1481.6 -669.29,-1481.76 v1(-669.29,-1496.06)
  Bottom Layer w10: v1(-935.04,-423.23) -961.68,-449.87 -961.68,-514.7 -916.34,-560.04 U4.5@-835.63,-560.04 ; v1(-669.29,-1496.06) -580.71,-1407.48 -535.91,-1407.48 -531.59,-1403.16 -511.71,-1403.16 -507.39,-1407.48 -497.61,-1407.48 -486.6,-1418.49 -486.6,-1437.1 -469.69,-1454.01 -469.69,-1514.88 -441.74,-1542.83 -441.74,-1580.94 R25.2@-472.44,-1611.65
NetR26_1: R26.1 R27.1 U1.15 | length 1798.5
  Top Layer w10: U1.15@-280.51,-2025.59 -280.51,-1994.58 -257.38,-1971.44 v1(-257.38,-1968.5)
  Signal Layer 2 w10: v1(-257.38,-1968.5) -257.38,-1944.81 -213.85,-1901.28 -213.85,-1847.99 -232.8,-1829.05 -232.8,-1795.83 -292.59,-1736.04 -292.59,-1552.37 -297.04,-1547.92 -297.4,-1547.92 -311.46,-1533.86 -311.46,-1494.72 -299.17,-1482.43 -299.17,-1404.06 -303.53,-1399.7 -303.53,-1379.82 -290.96,-1367.25 -290.96,-1348.32 -309.43,-1329.85 -309.43,-1292 -278.09,-1260.66 -278.09,-1131.59 -196.14,-1049.63 -196.14,-892.71 -147.74,-844.31 -147.74,-714.25 -83.36,-649.87 v1(-83.36,-566.76)
  Bottom Layer w10: R26.1@-179.69,-531.5 -147.64,-531.5 ; R27.1@-115.58,-531.5 -147.64,-531.5 ; v1(-83.36,-566.76) -137.96,-566.76 -147.64,-557.09 -147.64,-531.5
NetR28_1: R28.1 U6.47 | length 116.8
  Top Layer w10: v1(-561.02,-561.02) U6.47@-561.02,-509.84
  Bottom Layer w10: R28.1@-570.87,-622.61 -570.87,-570.87 v1(-561.02,-561.02)
NetR29_1: R29.1 U6.45 | length 120.9
  Top Layer w10: v1(-521.65,-561.02) U6.45@-521.65,-509.84
  Bottom Layer w10: v1(-521.65,-561.02) -501.97,-580.71 R29.1@-501.97,-622.61
NetR30_2: R30.2 U3.5 | length 1622.9
  Signal Layer 1 w10: v1(-943.9,-738.19) -919.26,-762.83 -895.57,-762.83 -848.09,-810.31 -848.09,-959.39 -859.9,-971.2 -859.9,-1028.74 -700.45,-1188.19 -700.45,-1498.84 -673.7,-1525.59 v1(-644.12,-1525.59)
  Bottom Layer w10: v1(-943.9,-738.19) -943.9,-727.36 -924.21,-707.68 U3.5@-835.63,-707.68 ; v1(-644.12,-1525.59) -627.12,-1508.59 -530.68,-1508.59 -505.02,-1534.25 -505.02,-1625.37 -461.68,-1668.71 -461.68,-1677.6 -447.63,-1691.66 -349.14,-1691.66 -331.8,-1674.32 -331.8,-1633.76 -353.92,-1611.65 R30.2@-364.17,-1611.65
NetR31_2: R31.2 U5.5 | length 1522.4
  Signal Layer 1 w10: v1(-895.67,-905.51) -875.99,-905.51 -865.09,-916.41 -865.09,-952.35 -876.9,-964.16 -876.9,-1035.78 -717.45,-1195.23 -717.45,-1526.64 v1(-679.13,-1564.96)
  Bottom Layer w10: v1(-895.67,-905.51) -895.67,-885.83 -890.75,-880.91 -865.16,-855.31 U5.5@-835.63,-855.31 ; v1(-679.13,-1564.96) -659.45,-1564.96 -644.08,-1549.59 -634.18,-1549.59 -610.24,-1525.65 -610.24,-1525.59 -537.72,-1525.59 -522.02,-1541.29 -522.02,-1632.41 -478.68,-1675.75 -478.68,-1684.64 -449.56,-1713.77 -287.78,-1713.77 -270.43,-1696.43 -270.43,-1659.4 -255.91,-1644.87 R31.2@-255.91,-1611.65
NetR32_1: R32.1 R33.1 U1.16 | length 1852.2
  Top Layer w10: U1.16@-260.83,-2025.59 -260.83,-2002.95 -250.38,-1992.5 -247.44,-1992.5 -226.38,-1971.44 v1(-226.38,-1968.5)
  Signal Layer 2 w10: v1(-226.38,-1968.5) -226.38,-1937.85 -196.85,-1908.32 -196.85,-1840.95 -215.8,-1822 -215.8,-1788.79 -275.59,-1729 -275.59,-1549.69 -274.58,-1548.68 -270.58,-1548.68 -256.53,-1534.62 -256.53,-1460.48 -270.06,-1446.95 -270.06,-1427.06 -255.53,-1412.53 -255.53,-1305.02 -261.43,-1299.11 -261.43,-1268.04 -261.09,-1267.7 -261.09,-1138.63 -179.14,-1056.67 -179.14,-899.75 -130.74,-851.35 -130.74,-721.29 -59.36,-649.91 -59.36,-541.03 v1(-147.64,-452.76)
  Bottom Layer w10: R32.1@-179.69,-462.6 v1@-147.64,-462.6 ; v1(-147.64,-452.76) v1@-147.64,-462.6 ; R33.1@-115.58,-462.6 v1@-147.64,-462.6
NetR34_1: R34.1 U6.42 | length 141.4
  Top Layer w10: v1(-472.44,-561.02) -472.44,-546.97 -462.6,-537.13 U6.42@-462.6,-509.84
  Signal Layer 2 w10: v1(-472.44,-561.02) v1@-464.23,-561.02
  Bottom Layer w10: v1(-472.44,-561.02) -433.07,-600.39 R34.1@-433.07,-622.61
NetR35_1: R35.1 U6.40 | length 200.4
  Top Layer w10: v1(-423.23,-561.02) U6.40@-423.23,-509.84
  Bottom Layer w10: v1(-423.23,-561.02) -354.33,-629.92 R35.1@-354.33,-681.66
NetR37_2: R37.2 U1.26 | length 300.3
  Top Layer w10: U1.26@-184.06,-1771.65 v1(-137.8,-1771.65)
  Bottom Layer w10: R37.2@-317.49,-1909.46 -246.07,-1909.46 -137.8,-1801.18 v1(-137.8,-1771.65)
NetR38_2: R38.2 U1.27 | length 354.7
  Top Layer w10: U1.27@-184.06,-1751.97 -156.76,-1751.97 -142.11,-1737.31 -142.11,-1716.91 v1(-127.95,-1702.75)
  Bottom Layer w10: R38.2@-317.49,-1840.56 -246.07,-1840.56 -118.11,-1712.6 v1(-127.95,-1702.75)
NetR42_1: R42.1 U6.37 | length 204.4
  Top Layer w10: v1(-364.17,-561.02) U6.37@-364.17,-509.84
  Bottom Layer w10: v1(-364.17,-561.02) -285.43,-639.76 R42.1@-285.43,-681.66
NetR43_1: R43.1 U6.35 | length 216.7
  Top Layer w10: U6.35@-324.8,-509.84 -324.8,-537.13 -314.96,-546.98 v1(-314.96,-561.02)
  Bottom Layer w10: v1(-314.96,-561.02) -255.54,-620.45 -255.54,-624.07 -216.54,-663.07 R43.1@-216.54,-681.66
NetU1_25: U1.25
NetU1_33: U1.33
NetU1_34: U1.34 U6.18 | length 1014.6
  Top Layer w10: v1(-413.39,-757.87) -413.39,-771.92 -403.54,-781.76 U6.18@-403.54,-809.06 ; v1(-287.46,-1523.92) -286.77,-1523.92 -280.35,-1530.34 -280.51,-1530.51 U1.34@-280.51,-1576.77
  Signal Layer 1 w10: v1(-413.39,-757.87) -413.39,-792.83 -390.92,-815.3 -366.88,-815.3 -342.14,-840.03 -342.14,-927.26 -356.2,-941.32 -374.87,-941.32 -405.89,-972.34 -405.89,-1107.08 -349.86,-1163.11 -349.86,-1435.99 -285.43,-1500.42 v1@-285.43,-1523.92 ; v1(-287.46,-1523.92) v1@-285.43,-1523.92 ; v1@-285.43,-1523.92 -285.43,-1525.59 -284.53,-1524.68 -285.29,-1523.92 v1@-285.43,-1523.92
NetU1_35: U1.35 U6.20 | length 928.9
  Top Layer w10: U6.20@-364.17,-809.06 v1(-364.17,-767.72) ; U1.35@-300.2,-1576.77 -300.2,-1545.12 -311.46,-1533.86 -311.46,-1509.8 -279.53,-1477.87 v1(-279.53,-1389.76)
  Signal Layer 1 w10: v1(-364.17,-767.72) -308.14,-823.75 -308.14,-972 -336.96,-1000.82 -336.96,-1001.84 -338.96,-1003.84 -338.96,-1023.72 -310.27,-1052.42 -310.27,-1318.16 -290.96,-1337.47 -290.96,-1372.42 -279.53,-1383.86 v1(-279.53,-1389.76)
NetU1_36: U1.36 U6.22 | length 1008.6
  Top Layer w10: U6.22@-324.8,-809.06 v1(-324.8,-767.72) ; U1.36@-319.88,-1576.77 -319.88,-1549.48 -328.46,-1540.9 -328.46,-1370.81 v1(-315.44,-1357.79)
  Signal Layer 1 w10: -331.77,-1054.95 -327.28,-1059.44 -327.28,-1328.12 -326.43,-1328.97 -326.43,-1346.79 v1(-315.44,-1357.79) ; -331.77,-1054.95 -355.96,-1030.76 -355.96,-995.78 -325.14,-964.96 -325.14,-832.99 -359.83,-798.3 -367.53,-798.3 -388.17,-777.66 -388.17,-757.78 -374.11,-743.72 -354.23,-743.72 -330.23,-767.72 v1(-324.8,-767.72)
NetU1_40: U1.40 U6.8 | length 1011.5
  Top Layer w10: v1(-610.46,-762.5) -605.61,-762.5 -600.39,-767.72 U6.8@-600.39,-809.06 ; v1(-472.44,-1394.98) -472.44,-1387.8 -457.07,-1403.16 -452.66,-1403.16 -438.6,-1417.22 -438.6,-1441.32 -398.62,-1481.3 U1.40@-398.62,-1576.77
  Signal Layer 1 w10: v1(-610.46,-762.5) -634.24,-786.27 -634.24,-883.9 -543.73,-974.41 -511.81,-974.41 -511.5,-974.72 -511.5,-997.25 -512.19,-997.93 -512.19,-1111.35 -487.81,-1135.73 -487.81,-1319.49 -472.44,-1334.86 v1(-472.44,-1394.98)
NetU1_41: U1.41 U6.17 | length 952.5
  Top Layer w10: v1(-442.91,-856.3) -423.23,-836.61 U6.17@-423.23,-809.06 ; v1@-423.23,-1529.15 v1(-423.23,-1525.59) ; -420.09,-1537.21 -418.31,-1538.99 U1.41@-418.31,-1576.77
  Signal Layer 1 w10: v1(-442.91,-856.3) -417.8,-856.3 -393.8,-832.3 -373.92,-832.3 -359.86,-846.36 -359.86,-881.45 -369.76,-891.35 -374.11,-891.35 -382.92,-900.15 -393.19,-910.42 -393.19,-932.34 -422.89,-962.04 -422.89,-1124.08 -366.86,-1180.11 -366.86,-1371.43 -421.6,-1426.17 -421.6,-1523.96 v1(-423.23,-1525.59)